# Altium PCB 6502_CPU_MainBoard_PCB_V1_2.PcbDoc (part 4 of 5) (continued)
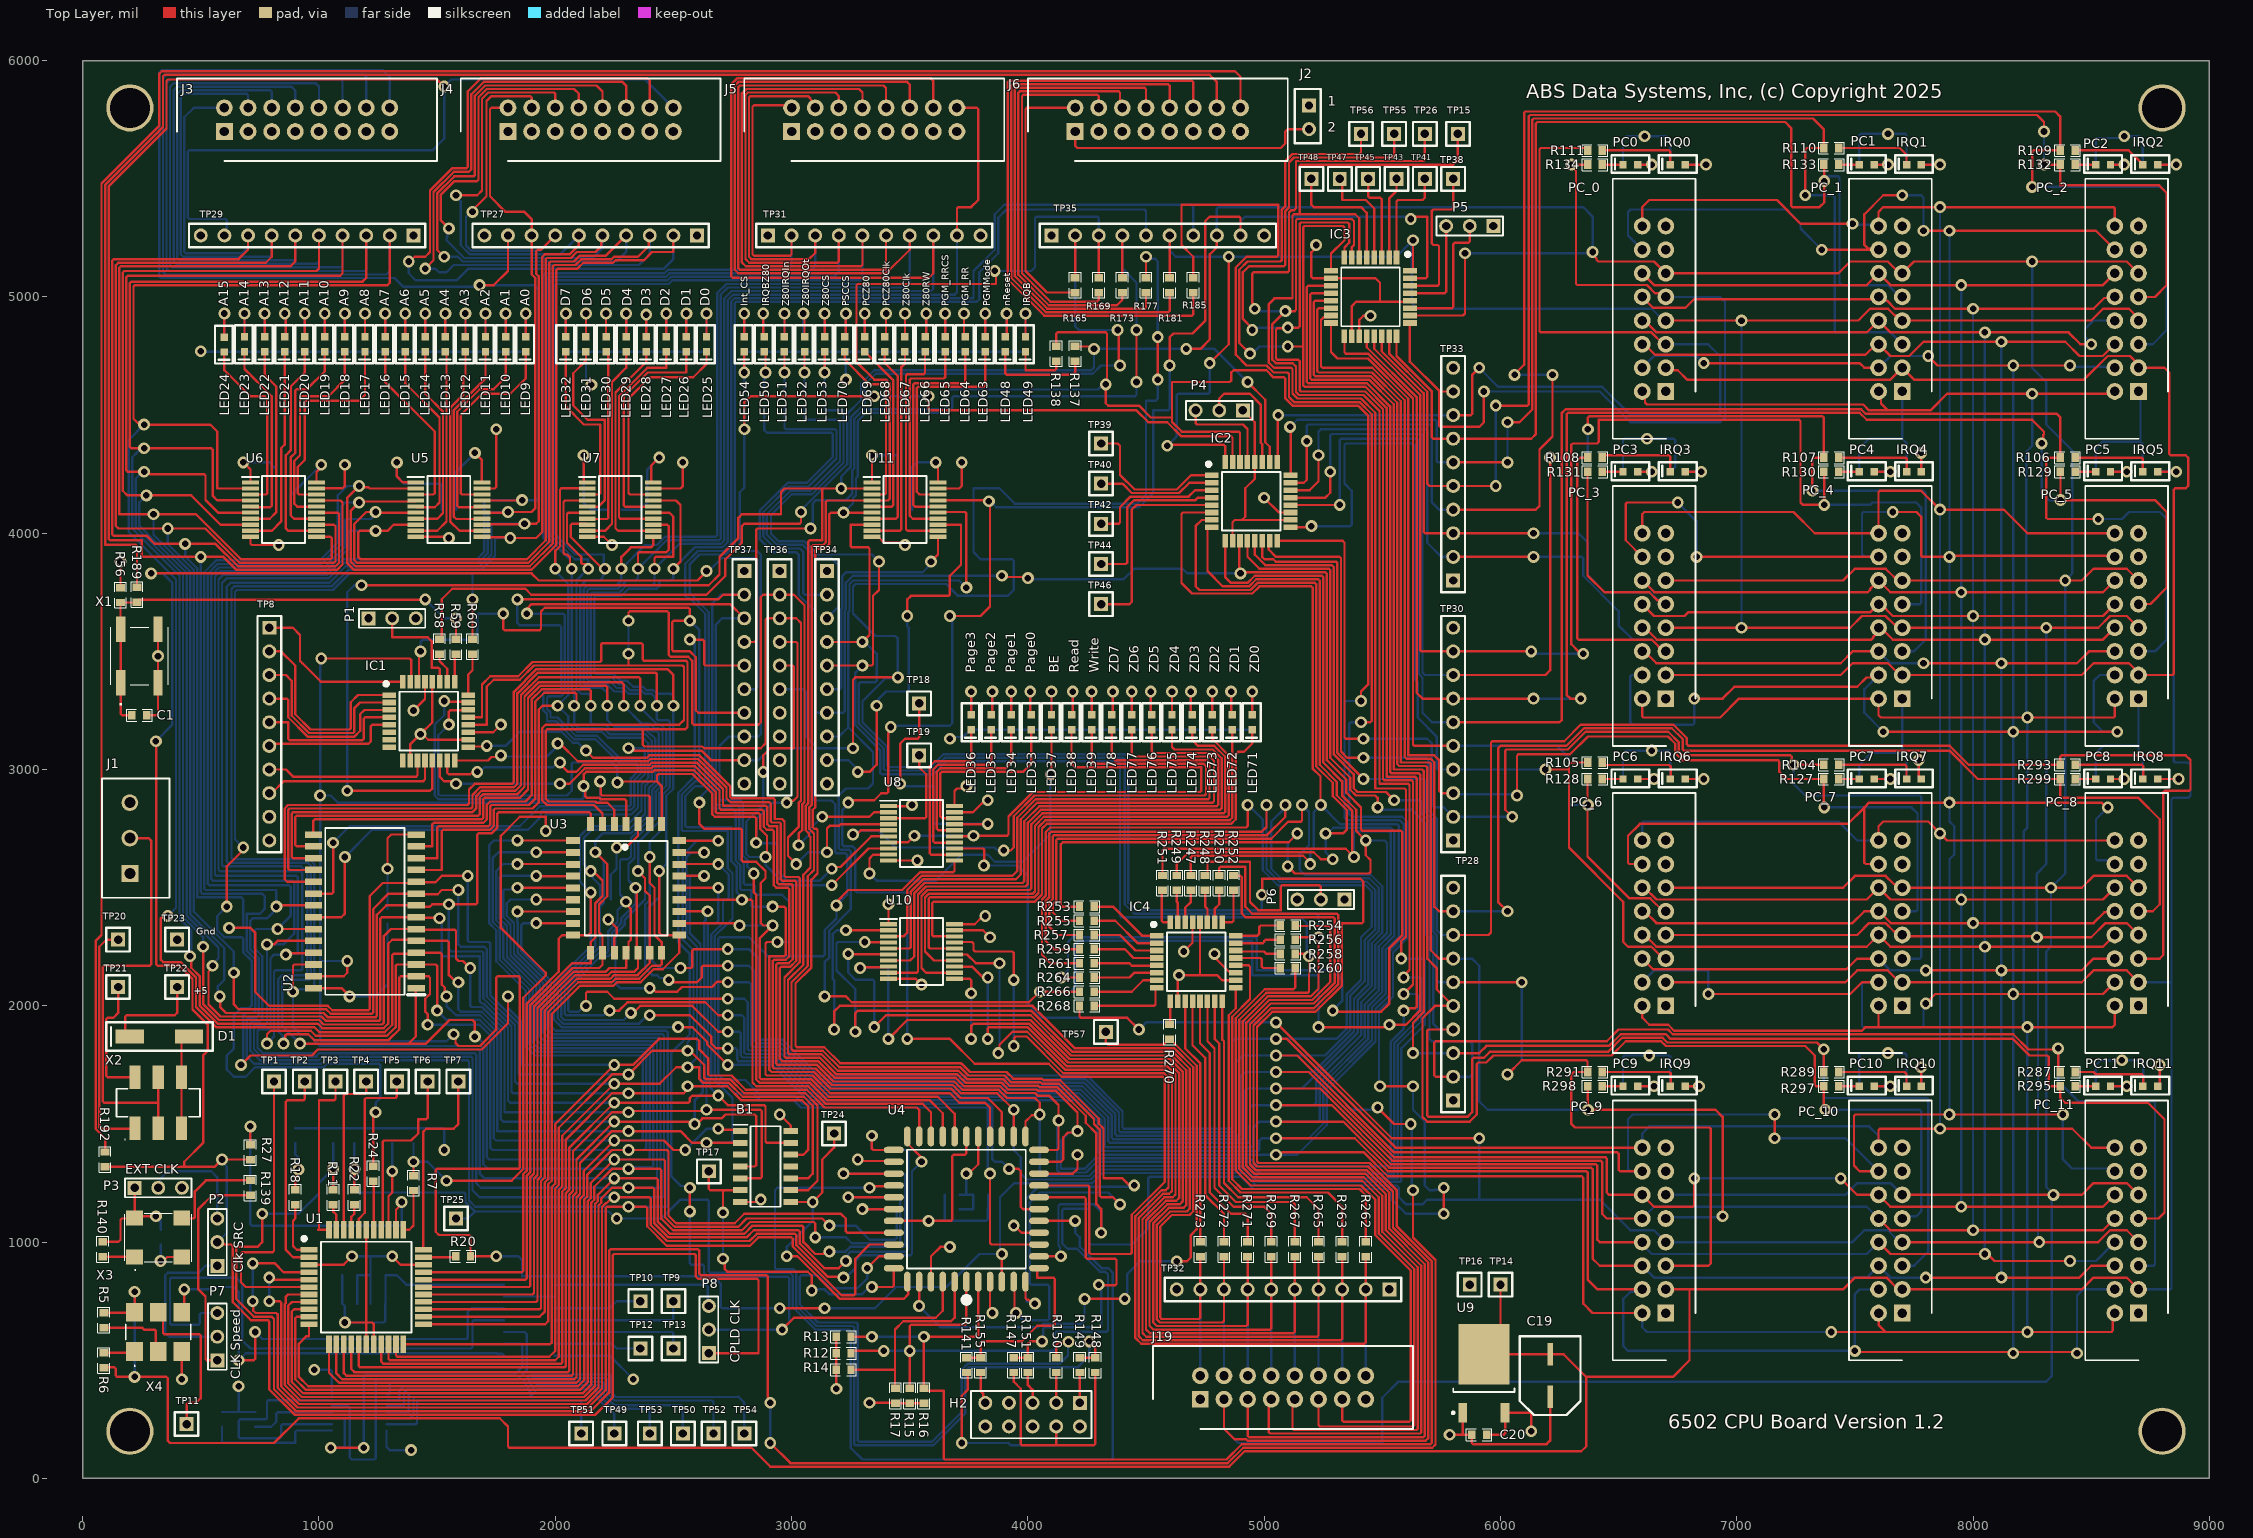
[diagram p0: Top Layer view]
## Nets (pads, with @x,y where several pads share a name; then routed paths per layer and width w, separated by ;. In a path a pad name is that pad's centre, name@x,y a point inside that pad or via, vN(x,y) a via of type N, cw(c..) or ccw(c..) an arc to the next point about the centre after c; other vN are vias at no path point) (continued)
NetLED50_2: LED50.2 R274.2 | length 201.2
  Top Layer w10: v1(2880,4930) 2880,4836.5 LED50.2@2885,4831.5
  Bottom Layer w10: v1(2880,4930) 2880,4836.5 R274.2@2885,4831.5
NetLED51_1: LED51.1 R290.2 | length 177
  Top Layer w10: v1@2970,4670 LED51.1@2970,4768.5
  Bottom Layer w10: R290.2@2970,4591.5 v1@2970,4670
  other v1: 2970,4680
NetLED51_2: LED51.2 R275.2 | length 211.2
  Top Layer w10: v1(2970,4930) LED51.2@2970,4831.5 LED51.2@2980,4841.5
  Bottom Layer w10: R275.2@2970,4831.5 v1(2970,4930)
NetLED52_1: LED52.1 R292.2 | length 177
  Top Layer w10: v1(3055,4680) LED52.1@3055,4768.5
  Bottom Layer w10: R292.2@3055,4591.5 v1(3055,4680)
NetLED52_2: LED52.2 R276.2 | length 201.2
  Top Layer w10: v1(3050,4930) 3055,4925 LED52.2@3055,4831.5
  Bottom Layer w10: v1(3050,4930) 3050,4836.5 R276.2@3055,4831.5
NetLED53_1: LED53.1 R294.2 | length 177
  Top Layer w10: v1(3140,4680) LED53.1@3140,4768.5
  Bottom Layer w10: R294.2@3140,4591.5 v1(3140,4680)
NetLED53_2: LED53.2 R277.2 | length 197
  Top Layer w10: LED53.2@3140,4831.5 v1(3140,4930)
  Bottom Layer w10: R277.2@3140,4831.5 v1(3140,4930)
NetLED54_1: LED54.1 R296.2 | length 177
  Top Layer w10: v1(2800,4680) LED54.1@2800,4768.5
  Bottom Layer w10: R296.2@2800,4591.5 v1(2800,4680)
NetLED54_2: LED54.2 R278.2 | length 197
  Top Layer w10: LED54.2@2800,4831.5 v1(2800,4930)
  Bottom Layer w10: R278.2@2800,4831.5 v1(2800,4930)
NetLED63_1: LED63.1 U11.18 | length 971.3
  Top Layer w10: U11.18@3619.76,4163.98 3541.45,4163.98 3529.57,4175.86 3529.57,4614.14 3535.43,4620 3814.14,4620 3820,4625.86 LED63.1@3820,4768.5
NetLED63_2: LED63.2 R300.2 | length 197
  Top Layer w10: LED63.2@3820,4831.5 v1(3820,4930)
  Bottom Layer w10: R300.2@3820,4831.5 v1(3820,4930)
NetLED64_1: LED64.1 U11.16 | length 969.8
  Top Layer w10: U11.16@3619.76,4112.8 3522.63,4112.8 3514.57,4120.86 3514.57,4629.14 3520.43,4635 3729.14,4635 3735,4640.86 LED64.1@3735,4768.5
NetLED64_2: LED64.2 R301.2 | length 201.2
  Top Layer w10: v1(3730,4930) 3730,4836.5 LED64.2@3735,4831.5
  Bottom Layer w10: v1(3730,4930) 3730,4836.5 R301.2@3735,4831.5
NetLED65_1: LED65.1 U11.14 | length 962.8
  Top Layer w10: U11.14@3619.76,4061.61 3512.95,4061.61 3499.57,4075 3499.57,4649.14 3505.43,4655 3644.14,4655 3650,4660.86 LED65.1@3650,4768.5
NetLED65_2: LED65.2 R302.2 | length 197
  Top Layer w10: LED65.2@3650,4831.5 v1(3650,4930)
  Bottom Layer w10: R302.2@3650,4831.5 v1(3650,4930)
NetLED66_1: LED66.1 U11.12 | length 963.4
  Top Layer w10: LED66.1@3565,4768.5 3565,4679.14 3559.14,4673.28 3490.43,4673.28 3484.57,4667.43 3484.57,4016.29 3490.43,4010.43 U11.12@3619.76,4010.43
NetLED66_2: LED66.2 R303.2 | length 201.2
  Top Layer w10: LED66.2@3565,4831.5 3570,4836.5 v1(3570,4930)
  Bottom Layer w10: R303.2@3565,4831.5 3570,4836.5 v1(3570,4930)
NetLED67_1: LED67.1 U11.9 | length 885.6
  Top Layer w10: U11.9@3340.24,4010.43 3459.14,4010.43 3465,4016.29 3465,4703.88 3480,4718.88 LED67.1@3480,4768.5
NetLED67_2: LED67.2 R304.2 | length 197
  Top Layer w10: LED67.2@3480,4831.5 v1(3480,4930)
  Bottom Layer w10: R304.2@3480,4831.5 v1(3480,4930)
NetLED68_1: LED68.1 U11.7 | length 834.5
  Top Layer w10: U11.7@3340.24,4061.61 3441.61,4061.61 3450,4070 3450,4664.14 3395,4719.14 LED68.1@3395,4768.5
NetLED68_2: LED68.2 R305.2 | length 201.2
  Top Layer w10: LED68.2@3395,4831.5 3400,4836.5 v1(3400,4930)
  Bottom Layer w10: R305.2@3395,4831.5 3400,4836.5 v1(3400,4930)
NetLED69_1: LED69.1 U11.5 | length 791.7
  Top Layer w10: LED69.1@3310,4768.5 3430,4648.5 3430,4118.65 3424.14,4112.8 U11.5@3340.24,4112.8
NetLED69_2: LED69.2 R306.2 | length 197
  Top Layer w10: LED69.2@3310,4831.5 v1(3310,4930)
  Bottom Layer w10: R306.2@3310,4831.5 v1(3310,4930)
NetLED70_1: LED70.1 U11.3 | length 770.7
  Top Layer w10: LED70.1@3225,4768.5 3225,4735 3330,4630 3393.79,4630 3400,4623.79 3400,4169.83 3394.14,4163.98 U11.3@3340.24,4163.98
NetLED70_2: LED70.2 R307.2 | length 201.2
  Top Layer w10: LED70.2@3225,4831.5 3230,4836.5 v1(3230,4930)
  Bottom Layer w10: R307.2@3225,4831.5 3230,4836.5 v1(3230,4930)
NetLED71_1: LED71.1 U10.18 | length 2248.9
  Top Layer w10: U10.18@3689.76,2293.98 3600.86,2293.98 3595,2299.83 3595,2434.14 3600.86,2440 4028.79,2440 4060,2471.21 4060,2750 4080,2770 4860,2770 4880,2790 4880,3064.14 4890.86,3075 4915,3075 4950,3110 LED71.1@4950,3168.5
NetLED71_2: LED71.2 R308.2 | length 197
  Top Layer w10: LED71.2@4950,3231.5 v1(4950,3330)
  Bottom Layer w10: R308.2@4950,3231.5 v1(4950,3330)
NetLED72_1: LED72.1 U10.16 | length 2279.1
  Top Layer w10: U10.16@3689.76,2242.8 3585.86,2242.8 3580,2248.65 3580,2452.72 3587.28,2460 4027.57,2460 4045,2477.43 4045,2676.72 4045,2756.21 4073.79,2785 4085,2785 4853.79,2785 4865,2796.21 LED72.1@4865,3168.5
NetLED72_2: LED72.2 R309.2 | length 201.2
  Top Layer w10: v1(4860,3330) 4860,3236.5 LED72.2@4865,3231.5
  Bottom Layer w10: v1(4860,3330) 4860,3236.5 R309.2@4865,3231.5
NetLED73_1: LED73.1 U10.14 | length 2353.5
  Top Layer w10: U10.14@3689.76,2191.61 3603.03,2191.61 3565,2229.64 3565,2458.93 3581.07,2475 4021.36,2475 4030,2483.64 4030,2682.93 4030,2762.43 4067.57,2800 4078.79,2800 4844.14,2800 4850,2805.86 4850,3060 4780,3130 LED73.1@4780,3168.5
NetLED73_2: LED73.2 R310.2 | length 197
  Top Layer w10: LED73.2@4780,3231.5 v1(4780,3330)
  Bottom Layer w10: R310.2@4780,3231.5 v1(4780,3330)
NetLED74_1: LED74.1 U10.12 | length 2490.2
  Top Layer w10: U10.12@3689.76,2140.43 3569.57,2140.43 3550,2160 3550,2465.15 3574.85,2490 4007.71,2490 4015,2497.29 4015,2689.14 4015,2768.64 4061.36,2815 4072.57,2815 4829.14,2815 4835,2820.86 4835,3053.79 4788.79,3100 4720,3100 4696.39,3123.61 4696.39,3167.12 LED74.1@4695,3168.5
NetLED74_2: LED74.2 R311.2 | length 201.2
  Top Layer w10: v1(4690,3330) 4690,3236.5 LED74.2@4695,3231.5
  Bottom Layer w10: v1(4690,3330) 4690,3236.5 R311.2@4695,3231.5
NetLED75_1: LED75.1 U10.9 | length 2555.2
  Top Layer w10: U10.9@3410.24,2140.43 3410.67,2140 3529.14,2140 3535,2145.86 3535,2471.36 3568.64,2505 3989.53,2505 4000,2515.47 4000,2695.36 4000,2774.85 4055.15,2830 4066.36,2830 4814.14,2830 4820,2835.86 4820,3047.57 4782.57,3085 4620.86,3085 4610,3095.86 LED75.1@4610,3168.5
NetLED75_2: LED75.2 R312.2 | length 197
  Top Layer w10: LED75.2@4610,3231.5 v1(4610,3330)
  Bottom Layer w10: R312.2@4610,3231.5 v1(4610,3330)
NetLED76_1: LED76.1 U10.7 | length 2550.7
  Top Layer w10: U10.7@3410.24,2191.61 3501.61,2191.61 3520,2210 3520,2477.57 3562.43,2520 3977.71,2520 3985,2527.29 3985,2701.57 3985,2781.07 4048.93,2845 4060.15,2845 4799.14,2845 4805,2850.86 4805,3041.36 4776.36,3070 4530.86,3070 4525,3075.86 LED76.1@4525,3168.5
NetLED76_2: LED76.2 R313.2 | length 201.2
  Top Layer w10: v1(4520,3330) 4520,3236.5 LED76.2@4525,3231.5
  Bottom Layer w10: v1(4520,3330) 4520,3236.5 R313.2@4525,3231.5
NetLED77_1: LED77.1 U10.5 | length 2544
  Top Layer w10: U10.5@3410.24,2242.8 3499.14,2242.8 3505,2248.65 3505,2483.79 3556.21,2535 3949.14,2535 3970,2555.86 3970,2790 4040,2860 4781.72,2860 4787.57,2865.86 4787.57,3037.57 4770.15,3055 4450.86,3055 4440,3065.86 LED77.1@4440,3168.5
NetLED77_2: LED77.2 R314.2 | length 197
  Top Layer w10: LED77.2@4440,3231.5 v1(4440,3330)
  Bottom Layer w10: R314.2@4440,3231.5 v1(4440,3330)
NetLED78_1: LED78.1 U10.3 | length 2525.7
  Top Layer w10: U10.3@3410.24,2293.98 3473.98,2293.98 3490,2310 3490,2490 3550,2550 3934.14,2550 3955,2570.86 3955,2796.21 4033.79,2875 4045,2875 4763.08,2875 4768.93,2880.86 4768.93,3029.14 4758.08,3040 4370,3040 4355,3055 LED78.1@4355,3168.5
NetLED78_2: LED78.2 R315.2 | length 201.2
  Top Layer w10: LED78.2@4355,3231.5 4360,3236.5 v1(4360,3330)
  Bottom Layer w10: R315.2@4355,3231.5 4360,3236.5 v1(4360,3330)
NetP7_1: P7.1 R139.2 | length 943.2
  Top Layer w10: P7.1@570,500 525.86,500 520,505.86 520,770 490,800 490,1140 548.5,1198.5 R139.2@710,1198.5
NetPC0_1: PC0.1 R134.2 | length 87
  Top Layer w10: R134.2@6431.5,5560 PC0.1@6518.5,5560
NetPC0_2: PC0.2 R126.2 | length 127
  Top Layer w10: PC0.2@6581.5,5560 v1(6640,5560)
  Bottom Layer w10: R126.2@6571.5,5560 v1(6640,5560)
NetPC1_1: PC1.1 R133.2 | length 87
  Top Layer w10: R133.2@7431.5,5560 PC1.1@7518.5,5560
NetPC1_2: PC1.2 R125.2 | length 127
  Top Layer w10: PC1.2@7581.5,5560 v1(7640,5560)
  Bottom Layer w10: R125.2@7571.5,5560 v1(7640,5560)
NetPC2_1: PC2.1 R132.2 | length 87
  Top Layer w10: R132.2@8431.5,5560 PC2.1@8518.5,5560
NetPC2_2: PC2.2 R124.2 | length 127
  Top Layer w10: PC2.2@8581.5,5560 v1(8640,5560)
  Bottom Layer w10: R124.2@8571.5,5560 v1(8640,5560)
NetPC3_1: PC3.1 R131.2 | length 87
  Top Layer w10: R131.2@6431.5,4260 PC3.1@6518.5,4260
NetPC3_2: PC3.2 R123.2 | length 131.2
  Top Layer w10: PC3.2@6581.5,4250 6591.5,4260 v1(6640,4260)
  Bottom Layer w10: R123.2@6571.5,4260 v1(6640,4260)
NetPC4_1: PC4.1 R130.2 | length 87
  Top Layer w10: R130.2@7431.5,4260 PC4.1@7518.5,4260
NetPC4_2: PC4.2 R122.2 | length 131.2
  Top Layer w10: PC4.2@7581.5,4250 7591.5,4260 v1(7650,4260)
  Bottom Layer w10: R122.2@7591.5,4260 v1(7650,4260)
NetPC5_1: PC5.1 R129.2 | length 87
  Top Layer w10: R129.2@8431.5,4260 PC5.1@8518.5,4260
NetPC5_2: PC5.2 R121.2 | length 131.2
  Top Layer w10: PC5.2@8581.5,4250 8591.5,4260 v1(8650,4260)
  Bottom Layer w10: R121.2@8591.5,4260 v1(8650,4260)
NetPC6_1: PC6.1 R128.2 | length 87
  Top Layer w10: R128.2@6431.5,2960 PC6.1@6518.5,2960
NetPC6_2: PC6.2 R120.2 | length 147
  Top Layer w10: PC6.2@6581.5,2960 v1(6650,2960)
  Bottom Layer w10: R120.2@6571.5,2960 v1(6650,2960)
NetPC7_1: PC7.1 R127.2 | length 87
  Top Layer w10: R127.2@7431.5,2960 PC7.1@7518.5,2960
NetPC7_2: PC7.2 R119.2 | length 127
  Top Layer w10: PC7.2@7581.5,2960 v1(7650,2960)
  Bottom Layer w10: R119.2@7591.5,2960 v1(7650,2960)
NetPC8_1: PC8.1 R299.2 | length 87
  Top Layer w10: R299.2@8431.5,2960 PC8.1@8518.5,2960
NetPC8_2: PC8.2 R286.2 | length 131.2
  Top Layer w10: PC8.2@8581.5,2950 8591.5,2960 v1(8640,2960)
  Bottom Layer w10: R286.2@8571.5,2960 v1(8640,2960)
NetPC9_1: PC9.1 R298.2 | length 87
  Top Layer w10: R298.2@6431.5,1660 PC9.1@6518.5,1660
NetPC9_2: PC9.2 R285.2 | length 137
  Top Layer w10: PC9.2@6581.5,1660 v1(6650,1660)
  Bottom Layer w10: R285.2@6581.5,1660 v1(6650,1660)
NetPC10_1: PC10.1 R297.2 | length 87
  Top Layer w10: R297.2@7431.5,1660 PC10.1@7518.5,1660
NetPC10_2: PC10.2 R284.2 | length 127
  Top Layer w10: PC10.2@7581.5,1660 v1(7650,1660)
  Bottom Layer w10: R284.2@7591.5,1660 v1(7650,1660)
NetPC11_1: PC11.1 R295.2 | length 87
  Top Layer w10: R295.2@8431.5,1660 PC11.1@8518.5,1660
NetPC11_2: PC11.2 R283.2 | length 127
  Top Layer w10: PC11.2@8581.5,1660 v1(8650,1660)
  Bottom Layer w10: R283.2@8591.5,1660 v1(8650,1660)
NetR2_1: R2.1 R18.1 | length 208
  Top Layer w10: R18.1@900,1221.5 900,1270 905.57,1275.57 905.57,1299.98 v1(913.22,1307.64)
  Bottom Layer w10: R2.1@900,1418.5 900,1370.92 913.22,1357.7 v1(913.22,1307.64)
NetR5_1: R5.1 X4.2 | length 316.9
  Top Layer w10: R5.1@90,638.5 251.5,638.5 260,630 304.14,630 310,624.14 310,547.32 X4.2@320,537.32
NetR6_1: R6.1 X4.1 | length 132.4
  Top Layer w10: R6.1@90,531.5 214.17,531.5 X4.1@220,537.32
NetR7_2: R7.2 U1.34 | length 199.9
  Top Layer w10: U1.34@1357.48,1052.13 1382.13,1052.13 1400,1070 R7.2@1400,1218.5 R7.2@1400,1220
NetR8_1: R8.1 U13.1 | length 576
  Bottom Layer w10: R8.1@590,218.5 590,157.47 595.86,151.61 900,151.61 900,197.37 905.86,203.23 U13.1@1054.33,203.23
NetR9_1: R9.1 U13.4 | length 369.8
  Bottom Layer w10: R9.1@730,218.5 798.5,218.5 820,240 820,274.14 825.86,280 U13.4@1054.33,280
NetR11_2: R11.2 U1.43 | length 117.9
  Top Layer w10: R11.2@1050,1158.5 R11.2@1054.02,1154.49 ; R11.2@1060,1158.5 1060,1130 1074.02,1115.98 U1.43@1074.02,1052.13
NetR18_2: R18.2 U1.1 | length 253.4
  Top Layer w10: R18.2@900,1158.5 900,1100 890,1090 890,983.94 906.46,967.48 U1.1@957.87,967.48
NetR20_2: R20.2 U1.32 | length 140.4
  Top Layer w10: U1.32@1443.83,937.69 U1.32@1442.13,935.98 1574.49,935.98 R20.2@1578.5,940
NetR22_2: R22.2 U1.41 | length 111.8
  Top Layer w10: U1.41@1137.01,1052.13 1137.01,1107.01 1150,1120 R22.2@1150,1158.5
NetR24_2: R24.2 U1.38 | length 207
  Top Layer w10: R24.2@1230,1258.5 1231.5,1257.01 U1.38@1231.5,1052.13
NetR27_2: R27.2 U1.35 | length 1359.5
  Top Layer w10: R27.2@710,1411.5 v1(710,1490) ; U1.35@1325.98,1052.13 1325.98,1137.45 1350,1161.46 v1(1350,1170)
  Bottom Layer w10: v1(710,1490) 710,1075.86 715.86,1070 1344.14,1070 1350,1075.86 v1(1350,1170)
NetR31_1: R31.1 U1.36 | length 372.8
  Top Layer w10: U1.36@1294.49,1052.13 1294.49,1194.49 1310,1210 v1(1310,1300)
  Bottom Layer w10: v1(1310,1300) R31.1@1310,1418.5
NetR139_1: R139.1 X3.3 | length 421.9
  Top Layer w10: X3.3@420,1102.68 422.68,1100 469.14,1100 475,1105.86 475,1215 521.5,1261.5 R139.1@710,1261.5
NetR140_2: R140.2 X3.1 | length 135.5
  Top Layer w10: R140.2@85,938.5 218.82,938.5 X3.1@220,937.32
NetTP1_1: TP1.1 U1.6 | length 1279.3
  Top Layer w10: TP1.1@810,1680 810,963.45 804.14,957.59 675.86,957.59 670,951.73 670,830 690,810 U1.6@957.87,810
NetTP2_1: TP2.1 U1.2 | length 897
  Top Layer w10: TP2.1@940,1680 940,1605.86 934.14,1600 865.86,1600 860,1594.14 860,966.84 890.86,935.98 U1.2@957.87,935.98
NetTP3_1: TP3.1 U1.44 | length 740
  Top Layer w10: U1.44@1042.52,1052.13 997.87,1052.13 1000,1054.25 1000,1600 1064.14,1600 1070,1605.86 TP3.1@1070,1680
NetTP4_1: TP4.1 U1.42 | length 715.5
  Top Layer w10: U1.42@1105.51,1052.13 1105.51,1621.21 1111.37,1627.07 1194.14,1627.07 1200,1632.93 TP4.1@1200,1680
NetTP5_1: TP5.1 U1.40 | length 767.5
  Top Layer w10: U1.40@1168.5,1052.13 1168.5,1098.5 1194.14,1124.14 1194.14,1604.14 1200,1610 1324.14,1610 1330,1615.86 TP5.1@1330,1680
NetTP6_1: TP6.1 U1.37 | length 796.3
  Top Layer w10: U1.37@1262.99,1052.13 1269.8,1058.94 1269.8,1089.2 1270,1089.4 1270,1424.14 1275.86,1430 1390,1430 1420,1460 1420,1520 1454.14,1520 1460,1525.86 TP6.1@1460,1680
NetTP7_1: TP7.1 U1.33 | length 841.6
  Top Layer w10: U1.33@1442.13,967.48 1442.13,1467.87 1454.25,1480 1570,1480 1590,1500 TP7.1@1590,1680
NetTP9_1: TP9.1 U12.11 | length 579.8
  Bottom Layer w10: U12.11@1996.77,670 2494.14,670 2500,675.86 TP9.1@2500,750
NetTP10_1: TP10.1 U12.10 | length 375.7
  Bottom Layer w10: U12.10@1996.77,720 2230,720 2260,750 TP10.1@2360,750
NetTP11_1: TP11.1 X4.5 | length 679
  Top Layer w10: X4.5@320,702.68 340,682.68 340,615.86 345.86,610 494.14,610 500,604.14 500,340 480,320 445.86,320 440,314.14 TP11.1@440,230
NetTP12_1: TP12.1 U12.13 | length 371.5
  Bottom Layer w10: U12.13@1996.77,570 2240,570 2260,550 TP12.1@2360,550
NetTP13_1: TP13.1 U12.12 | length 569.8
  Bottom Layer w10: U12.12@1996.77,620 2494.14,620 2500,614.14 TP13.1@2500,550
NetTP18_1: TP18.1 U8.17 | length 1076.5
  Top Layer w10: v1(3460,2940) 3460,3110 3480,3130 3534.14,3130 3540,3135.86 TP18.1@3540,3280 ; U8.17@3689.76,2768.39 3690.57,2769.19 3829.19,2769.19 v1(3830,2770)
  Bottom Layer w10: v1(3460,2940) 3470,2930 3600,2930 3600,2775.86 3605.86,2770 v1(3830,2770)
NetTP19_1: TP19.1 U8.3 | length 434.8
  Top Layer w10: U8.3@3410.24,2793.98 3564.14,2793.98 3570,2799.83 3570,2980 3540,3010 TP19.1@3540,3060
NetTP20_1: TP20.1 X2.1 | length 1011.3
  Top Layer w10: TP20.1@150,2280 100,2280 70,2250 70,1485.86 75.86,1480 219.84,1480 X2.1@221.57,1481.73
NetTP21_1: TP21.1 X2.6 | length 537
  Top Layer w10: TP21.1@150,2080 150,1970 130,1950 105.86,1950 100,1944.14 100,1704.13 105.86,1698.27 X2.6@221.57,1698.27 X2.6@220,1699.84
NetTP49_1: TP49.1 U13.12 | length 1203.3
  Bottom Layer w10: U13.12@1285.67,254.41 1384.41,254.41 1400,270 1400,339.14 1405.86,345 1891.21,345 1926.21,380 2169.14,380 2175,374.14 2175,342.57 2237.57,280 2244.14,280 2250,274.14 TP49.1@2250,190
NetTP50_1: TP50.1 U13.10 | length 1516.9
  Bottom Layer w10: U13.10@1285.67,305.59 1360,305.59 1360,361.21 1373.79,375 1875,375 1910,410 2199.14,410 2205,404.14 2205,355 2245,315 2246.21,315 2251.21,310 2534.14,310 2540,304.14 TP50.1@2540,190
NetTP51_1: TP51.1 U13.13 | length 1055
  Bottom Layer w10: U13.13@1285.67,228.82 1408.82,228.82 1415,235 1415,324.14 1420.86,330 2104.14,330 2110,324.14 TP51.1@2110,190
NetTP52_1: TP52.1 U13.9 | length 1655.8
  Bottom Layer w10: U13.9@1285.67,331.18 1340,331.18 1340,370 1360,390 1868.79,390 1903.79,425 2214.14,425 2220,419.14 2220,361.21 2251.21,330 2664.14,330 2670,324.14 TP52.1@2670,190
NetTP53_1: TP53.1 U13.11 | length 1369.6
  Bottom Layer w10: U13.11@1285.67,280 1380,280 1380,354.14 1385.86,360 1885,360 1920,395 2184.14,395 2190,389.14 2190,348.79 2238.79,300 2240,300 2245,295 2390,295 2400,285 TP53.1@2400,190
NetTP54_1: TP54.1 U13.8 | length 1791.9
  Bottom Layer w10: U13.8@1285.67,356.77 1296.14,356.77 1300,360.63 1300,399.14 1305.86,405 1862.57,405 1897.57,440 2229.14,440 2235,434.14 2235,367.43 2257.43,345 2775,345 2775.86,345.86 2800,321.72 TP54.1@2800,190
nSystemReset: IC2.26 IC3.26 J19.3 PC_0.11 PC_1.11 PC_2.11 PC_3.11 PC_4.11 PC_5.11 PC_6.11 PC_7.11 PC_8.11 PC_9.11 PC_10.11 PC_11.11 R58.2 R137.1 R250.2 TP35.8 | length 30567.3
  Top Layer w10: R58.2@1520,3551.5 1520,3720.44 1564.56,3765 1873.79,3765 1898.79,3740 2640,3740 2720,3820 2720,3890 2790,3960 2790,4030 2800,4040 3034.14,4040 3040,4045.86 v1(3040,4090) ; R137.1@4200,4790 R137.1@4200,4791.5 4201.5,4790 4274.14,4790 4280,4784.14 v1(4280,4780) ; v1(4670,4780) 4730,4780 4770,4820 4770,5180 4800,5210 TP35.8@4800,5260 ; R250.2@4810,2551.5 4810,2582.24 4815.86,2588.1 4920,2588.1 4920,2420 4950,2390 5308.28,2390 5314.14,2384.14 5314.14,2092.93 5211.21,1990 5028.79,1990 4955,1916.21 4955,1334.64 4969.64,1320 5440,1320 5545,1215 5545,1062.57 5695,912.57 5695,171.46 5683.54,160 4929.64,160 4924.04,165.61 4874.39,165.61 4830,210 J19.3@4830,335 ; v1(4930,4640) 5005,4565 5005,4385 5023.74,4366.26 IC2.26@5023.74,4301.85 ; IC3.26@5616.85,4921.26 5841.26,4921.26 5850,4930 v1(5850,5185) ; v1(6390,5190) 6390,5179.18 6406.57,5162.61 6406.57,5157.07 6413.64,5150 6650,5150 PC_0.11@6700,5100 7430,5100 7480,5150 7638.79,5150 7688.79,5100 PC_1.11@7700,5100 7750,5150 v1(8250,5150) 8650,5150 PC_2.11@8700,5100 ; PC_6.11@6700,2500 7450,2500 7500,2550 7630,2550 7664.34,2515.66 7667.87,2515.66 7683.53,2500 8460,2500 8510,2550 8650,2550 PC_8.11@8700,2500 ; PC_3.11@6700,3800 7450,3800 7500,3850 7630,3850 7664.34,3815.66 7667.87,3815.66 7683.53,3800 PC_4.11@7700,3800 v1(8390,3800) 8460,3800 8510,3850 8650,3850 PC_5.11@8700,3800 ; PC_10.11@7700,1200 8460,1200 8510,1250 8650,1250 PC_11.11@8700,1200
  Bottom Layer w10: v1(3040,4090) 3040,4097.07 3235,4292.07 3235,4505 3295,4565 3295,4635 3350,4690 4268.79,4690 4280,4701.21 4280,4774.14 4285.86,4780 4790,4780 v1(4930,4640) ; TP35.8@4800,5260 4800,5374.14 4805.86,5380 6350,5380 6390,5340 v1(6390,5190) 6385,5185 v1(5850,5185) ; J19.3@4830,335 4830,210 4890,150 5500,150 5500,341.72 5568.28,410 8310,410 8332.35,432.35 8332.35,1197.65 v1@8330,1200 ; PC_9.11@6700,1200 7460,1200 7510,1250 7650,1250 PC_10.11@7700,1200 ; v1(8250,5150) 8250,4700 8310,4640 8310,4460 8420,4350 8420,3830 v1(8390,3800) 8390,2560 v1(8330,2500) 8330,2250 8310,2230 8310,1233.64 8330,1213.64 v1@8330,1200 ; v1(8340,1200) v1@8330,1200
OE1_I: R14.2 R17.1 U4.44 | length 860.6
  Top Layer w10: R14.2@3251.5,460 3437.76,460 ; R17.1@3440,382.31 3437.76,384.56 3437.76,460 ; U4.44@3690,832.8 3690,680 3675,665 3472.76,665 3437.76,630 3437.76,490 3437.76,460
OSC_14MHz: P7.3 U12.4 | length 2227.5
  Bottom Layer w10: P7.3@570,700 501.72,700 495.86,694.14 495.86,655.86 490,650 375.86,650 370,655.86 370,844.14 375.86,850 650,850 675,825 675,585 710,550 1644.14,550 1650,555.86 1650,664.14 1655.86,670 U12.4@1783.23,670
OSC_14MHz_FF_Out: U12.3 U13.5 | length 1646.7
  Bottom Layer w10: U13.5@1054.33,305.59 1124.14,305.59 1130,299.73 1130,90 1140,80 1234.14,80 1240,85.86 1240,420 1841.21,420 1880,458.79 1880,610 1870,620 U12.3@1783.23,620
OSC_28MHz: U12.2 U13.3 | length 1534.8
  Top Layer w10: v1(1050,130) v1(1190,130)
  Bottom Layer w10: v1(1050,130) 1104.14,130 1110,135.86 1110,248.55 1104.14,254.41 U13.3@1054.33,254.41 ; v1(1190,130) 1190,434.14 1195.86,440 1828.79,440 1860,471.21 1860,564.14 1854.14,570 U12.2@1783.23,570
OSC_Out: P2.1 P7.2 | length 707.3
  Bottom Layer w10: P7.2@570,600 365.86,600 350,615.86 350,860 360,870 490,870 520,900 P2.1@570,900
Page_0: IC1.20 TP36.2 U3.3 U8.2 | length 6063.6
  Top Layer w10: IC1.20@1631.34,3189.25 1710,3189.25 1710,3350 1709.75,3350.25 1739.5,3380 1850,3380 1910,3440 2310,3440 ; U3.3@2200,2770 2200,2814.04 2164.04,2850 1964.64,2850 1945,2869.64 1945,3175.36 1959.64,3190 2525,3190 2545,3210 2545,3434.14 2539.14,3440 2310,3440 ; v1(2310,3490) 2310,3440 ; v1(2310,3630) 2310,3664.14 2315.86,3670 2474.14,3670 2480,3664.14 2480,3485 2487.5,3477.5 2562.5,3477.5 2580,3460 2580,3195.86 2585.86,3190 2860,3190 2870,3200 2870,3730 2880,3740 TP36.2@2950,3740 3010,3740 3055,3695 3055,2862.43 3045,2852.43 3045,2743.79 3030,2728.79 v1(3030,2680) ; v1(3130,2800) 3330,2800 3349.57,2819.57 U8.2@3410.24,2819.57 U8.2@3410.02,2819.78 ; v1@3130,2820 v1@3130.22,2819.78
  Bottom Layer w10: v1(2310,3490) v1(2310,3630) ; v1(3030,2680) 3077.29,2727.29 3077.29,2747.29 v1(3130,2800) v1@3130,2820
Page_1: IC1.21 TP36.3 U3.2 U8.4 | length 5649.6
  Top Layer w10: IC1.21@1631.34,3220.75 1690,3220.75 1690,3360 1725,3395 1843.79,3395 1903.79,3455 2189.14,3455 2195,3460.86 2195,3530 2200,3535 2364.14,3535 2370,3529.14 2370,3465.86 2375.86,3460 2554.14,3460 2560,3454.14 2560,3180 2550,3170 2370,3170 ; U3.2@2250,2770 2250,2830 2220,2860 2175.25,2860 2170.25,2865 1970.86,2865 1960,2875.86 1960,3164.14 1965.86,3170 2370,3170 ; v1(3020,2600) 2985,2635 2985,2712.5 3030,2757.5 3030,2858.64 3040,2868.64 3040,3620 3020,3640 TP36.3@2950,3640 2895.86,3640 2890,3634.14 2890,3110 2870,3090 2630,3090 2622.5,3097.5 2377.5,3097.5 2370,3105 2370,3170 ; v1(3150,2650) 3150,2750 3162.53,2762.53 3201.61,2762.53 3207.47,2768.39 U8.4@3410.24,2768.39
  Bottom Layer w10: v1(3020,2600) 3070,2650 v1(3150,2650)
Page_2: IC1.22 TP36.4 U3.30 U8.6 | length 4224.7
  Top Layer w10: v1(1550,3190) 1550,3245.26 1555.86,3251.12 1627.97,3251.12 1629.09,3250 IC1.22@1631.34,3252.24 ; v1@2268.52,2949.39 2430.61,2949.39 ; U3.30@2450,2770 2450,2930 2430.61,2949.39 ; v1(2850,2690) 2850,2794.14 2844.14,2800 2675,2800 2665,2810 2665,2897.57 2581.29,2981.29 2436.46,2981.29 2430.61,2975.43 2430.61,2949.39 ; TP36.4@2950,3540 3019.14,3540 3025,3534.14 3025,2885 3007.65,2867.65 2987.65,2867.65 v1(2980,2860) ; v1(3170,2580) 3177.65,2587.65 3207.65,2587.65 3337.2,2717.2 U8.6@3410.24,2717.2
  Bottom Layer w10: v1(1550,3190) 1505,3145 1505,2957.69 1505,2953.79 1505.61,2953.18 1505.61,2895.86 1511.46,2890 2049.29,2890 2069.64,2910.36 2069.64,3024.14 2075.5,3030 2240,3030 2262.91,3007.09 v1@2262.91,2955 ; v1(2850,2690) 2850,2790 2920,2860 v1(2980,2860) ; v1@2863.51,2687.65 2932.35,2687.65 2940,2680 2940,2570 2980,2530 3120,2530 v1(3170,2580)
  other v1: 2262.91,2945
Page_3: IC1.23 TP36.5 U3.1 U8.8 | length 4374.9
  Top Layer w10: v1(1530,3290) 1533.13,3286.87 1628.21,3286.87 IC1.23@1631.34,3283.74 ; U3.1@2300,2770 2300,2869.14 2294.14,2875 2192.07,2875 2187.07,2880 2133.28,2880 2127.43,2885.86 2127.43,2922.57 v1(2120,2930) 2120,2978.79 2131.21,2990 2412.5,2990 2419.4,2996.89 2586.89,2996.89 2680,2903.79 2680,2820 2685,2815 2861.39,2815 2867.25,2809.14 2867.25,2748.61 2895.86,2720 2895.86,2655.86 v1@2890,2650 ; v1(2880,2990) 2880,3060 2910,3090 3010,3090 3010,3434.14 3004.14,3440 TP36.5@2950,3440 ; v1(3170,2510) 3326.02,2666.02 U8.8@3410.24,2666.02
  Bottom Layer w10: v1(1530,3290) 1530,3230 1490,3190 1490,2890.25 1505.25,2875 2114.14,2875 2120,2880.86 v1(2120,2930) ; v1(2880,2990) 2880,2850 2808.71,2778.71 2808.71,2642.5 2821.21,2630 v1(2890,2630) 2890,2595.86 2975.86,2510 v1(3170,2510)
Page_Register: R12.2 R15.1 R185.1 U4.1 | length 10825.3
  Top Layer w10: R12.2@3251.5,530 3261.5,540 v1(3390,540) ; R15.1@3500,381.5 v1(3500,540) 3500,644.14 3505.86,650 3734.14,650 3740,655.86 U4.1@3740,832.8 ; R185.1@4700,5081.5 4700,5170 4650,5220 4650,5390 5060,5390 5060,5175.86 5054.14,5170 4925.86,5170 4880,5124.14 4880,4755.86 4925.86,4710 5010.5,4710 5040.5,4680 5099.14,4680 5105,4674.14 5105,4576.21 5126.21,4555 5403.79,4555 5455,4503.79 5455,3205.86 5449.14,3200 v1(5410,3200) ; v1(5490,1660) v1(5630,1660) ; v1(5760,1120) v1(5760,1230)
  Bottom Layer w10: v1(3390,540) v1(3500,540) 4108.28,540 4114.14,545.86 4114.14,615 4120,620.86 4333.28,620.86 4339.14,626.72 4339.14,864.14 4328.28,875 4305,875 4207.84,972.16 4167.84,972.16 4145.95,994.05 4145.95,1135.09 4151.81,1140.95 4253.19,1140.95 4259.05,1135.09 4259.05,995.86 4264.91,990 4440,990 4510,1060 4510,1271.57 4515.86,1277.43 4902.57,1277.43 4955,1225 5540,1225 5540,1180 5600,1120 v1(5760,1120) ; v1(5410,3200) 5365.86,3200 5360,3194.14 5360,2810.86 5370.86,2800 5584.14,2800 5605,2779.14 5605,2286.36 5545,2226.36 5545,2038.79 5486.21,1980 5486.21,1663.79 v1(5490,1660) ; v1(5630,1660) 5630,1560 5680,1510 5680,1240 5700,1220 5719.18,1220 5721.52,1222.35 5752.35,1222.35 v1(5760,1230)